# KiCad board panelized.kicad_pcb (continued)
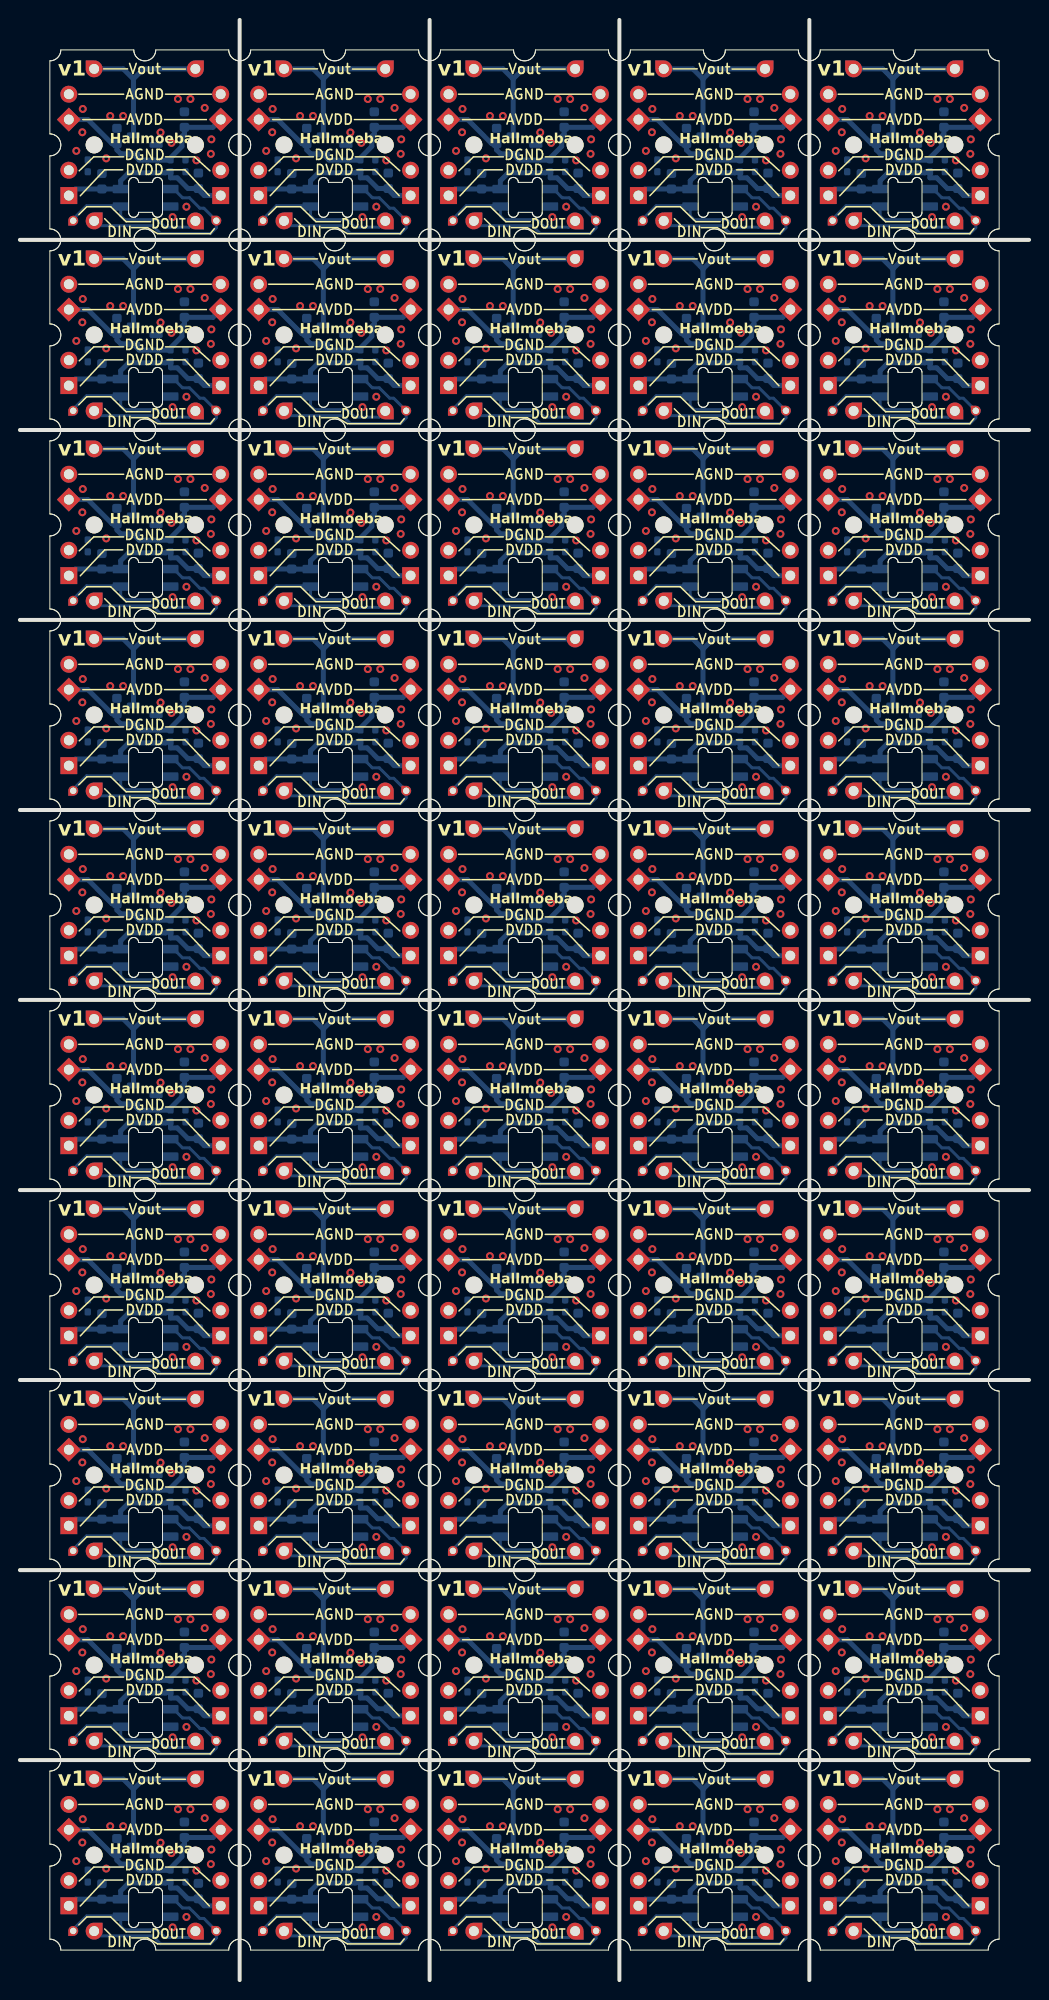
[diagram p0: board, top side]
## Nets (continued)
Board_27-GNDD: C1#30.1 C2#25.1 D1#42.3 J7#29.1 J8#13.1 R1#34.1 R2#49.1
Board_27-LED_IN: D1#42.4 J13#22.1 J14#13.1
Board_27-LED_OUT: D1#42.2 J11#10.1 J12#41.1
Board_27-VDD: C1#30.2 C2#25.2 D1#42.1 J1#9.1 J2#44.1 R3#33.1
Board_27-VDDA: C3#5.2 C4#29.2 J5#3.1 J6.1 R3#33.2 U1#15.1
Board_27-Vout: J9#10.1 J10#7.1 U1#15.2
Board_28-GNDA: C3#22.1 C4#47.1 J3#12.1 J4#5.1 R1#14.2 R2#32.2 U1#6.3
Board_28-GNDD: C1#43.1 C2#47.1 D1#45.3 J7#50.1 J8#44.1 R1#14.1 R2#32.1
Board_28-LED_IN: D1#45.4 J13#50.1 J14#34.1
Board_28-LED_OUT: D1#45.2 J11#44.1 J12#36.1
Board_28-VDD: C1#43.2 C2#47.2 D1#45.1 J1#13.1 J2#36.1 R3#6.1
Board_28-VDDA: C3#22.2 C4#47.2 J5#46.1 J6#13.1 R3#6.2 U1#6.1
Board_28-Vout: J9#40.1 J10#5.1 U1#6.2
Board_29-GNDA: C3#40.1 C4#6.1 J3#35.1 J4#15.1 R1#15.2 R2#6.2 U1#36.3
Board_29-GNDD: C1#10.1 C2#42.1 D1.3 J7#5.1 J8#46.1 R1#15.1 R2#6.1
Board_29-LED_IN: D1.4 J13#32.1 J14#25.1
Board_29-LED_OUT: D1.2 J11#34.1 J12#14.1
Board_29-VDD: C1#10.2 C2#42.2 D1.1 J1#2.1 J2#40.1 R3#2.1
Board_29-VDDA: C3#40.2 C4#6.2 J5#44.1 J6#19.1 R3#2.2 U1#36.1
Board_29-Vout: J9#19.1 J10#10.1 U1#36.2
Board_30-GNDA: C3#44.1 C4#10.1 J3#14.1 J4#20.1 R1#8.2 R2#43.2 U1#33.3
Board_30-GNDD: C1#3.1 C2#15.1 D1#35.3 J7#24.1 J8#20.1 R1#8.1 R2#43.1
Board_30-LED_IN: D1#35.4 J13#18.1 J14#49.1
Board_30-LED_OUT: D1#35.2 J11#3.1 J12#18.1
Board_30-VDD: C1#3.2 C2#15.2 D1#35.1 J1#43.1 J2#49.1 R3#38.1
Board_30-VDDA: C3#44.2 C4#10.2 J5#34.1 J6#7.1 R3#38.2 U1#33.1
Board_30-Vout: J9#39.1 J10#32.1 U1#33.2
Board_31-GNDA: C3#14.1 C4#9.1 J3#42.1 J4#46.1 R1#31.2 R2#2.2 U1#32.3
Board_31-GNDD: C1#27.1 C2#8.1 D1#13.3 J7#39.1 J8#31.1 R1#31.1 R2#2.1
Board_31-LED_IN: D1#13.4 J13#48.1 J14#36.1
Board_31-LED_OUT: D1#13.2 J11#42.1 J12#23.1
Board_31-VDD: C1#27.2 C2#8.2 D1#13.1 J1#4.1 J2#46.1 R3#45.1
Board_31-VDDA: C3#14.2 C4#9.2 J5#19.1 J6#14.1 R3#45.2 U1#32.1
Board_31-Vout: J9#17.1 J10#25.1 U1#32.2
Board_32-GNDA: C3#21.1 C4#32.1 J3#50.1 J4#17.1 R1#26.2 R2#3.2 U1#4.3
Board_32-GNDD: C1#46.1 C2#18.1 D1#6.3 J7#11.1 J8#43.1 R1#26.1 R2#3.1
Board_32-LED_IN: D1#6.4 J13#15.1 J14#23.1
Board_32-LED_OUT: D1#6.2 J11.1 J12#48.1
Board_32-VDD: C1#46.2 C2#18.2 D1#6.1 J1#14.1 J2#37.1 R3#28.1
Board_32-VDDA: C3#21.2 C4#32.2 J5#6.1 J6#23.1 R3#28.2 U1#4.1
Board_32-Vout: J9#36.1 J10#50.1 U1#4.2
Board_33-GNDA: C3#16.1 C4#42.1 J3#30.1 J4#49.1 R1#28.2 R2#17.2 U1#46.3
Board_33-GNDD: C1#37.1 C2#46.1 D1#3.3 J7#47.1 J8#8.1 R1#28.1 R2#17.1
Board_33-LED_IN: D1#3.4 J13#35.1 J14#24.1
Board_33-LED_OUT: D1#3.2 J11#50.1 J12#40.1
Board_33-VDD: C1#37.2 C2#46.2 D1#3.1 J1#28.1 J2#41.1 R3#11.1
Board_33-VDDA: C3#16.2 C4#42.2 J5#10.1 J6#17.1 R3#11.2 U1#46.1
Board_33-Vout: J9#31.1 J10#21.1 U1#46.2
Board_34-GNDA: C3#23.1 C4#15.1 J3#9.1 J4#4.1 R1#12.2 R2#45.2 U1#10.3
Board_34-GNDD: C1#33.1 C2#39.1 D1#20.3 J7#44.1 J8#29.1 R1#12.1 R2#45.1
Board_34-LED_IN: D1#20.4 J13#25.1 J14#32.1
Board_34-LED_OUT: D1#20.2 J11#32.1 J12#33.1
Board_34-VDD: C1#33.2 C2#39.2 D1#20.1 J1#30.1 J2#10.1 R3#12.1
Board_34-VDDA: C3#23.2 C4#15.2 J5#20.1 J6#35.1 R3#12.2 U1#10.1
Board_34-Vout: J9#47.1 J10#24.1 U1#10.2
Board_35-GNDA: C3#50.1 C4#23.1 J3#11.1 J4#31.1 R1#21.2 R2#36.2 U1#26.3
Board_35-GNDD: C1#9.1 C2#36.1 D1#30.3 J7#48.1 J8#14.1 R1#21.1 R2#36.1
Board_35-LED_IN: D1#30.4 J13#3.1 J14#22.1
Board_35-LED_OUT: D1#30.2 J11#31.1 J12#6.1
Board_35-VDD: C1#9.2 C2#36.2 D1#30.1 J1#33.1 J2#22.1 R3#41.1
Board_35-VDDA: C3#50.2 C4#23.2 J5#49.1 J6#11.1 R3#41.2 U1#26.1
Board_35-Vout: J9#20.1 J10#29.1 U1#26.2
Board_36-GNDA: C3#26.1 C4#25.1 J3#46.1 J4#18.1 R1#19.2 R2#13.2 U1#29.3
Board_36-GNDD: C1#5.1 C2#45.1 D1#10.3 J7#45.1 J8#38.1 R1#19.1 R2#13.1
Board_36-LED_IN: D1#10.4 J13#31.1 J14#42.1
Board_36-LED_OUT: D1#10.2 J11#7.1 J12#42.1
Board_36-VDD: C1#5.2 C2#45.2 D1#10.1 J1#42.1 J2#7.1 R3#49.1
Board_36-VDDA: C3#26.2 C4#25.2 J5#9.1 J6#42.1 R3#49.2 U1#29.1
Board_36-Vout: J9#11.1 J10#13.1 U1#29.2
Board_37-GNDA: C3#13.1 C4#36.1 J3#18.1 J4#10.1 R1#25.2 R2#24.2 U1#2.3
Board_37-GNDD: C1#48.1 C2#12.1 D1#27.3 J7#17.1 J8#37.1 R1#25.1 R2#24.1
Board_37-LED_IN: D1#27.4 J13#2.1 J14#9.1
Board_37-LED_OUT: D1#27.2 J11#39.1 J12#15.1
Board_37-VDD: C1#48.2 C2#12.2 D1#27.1 J1#5.1 J2#24.1 R3#39.1
Board_37-VDDA: C3#13.2 C4#36.2 J5#41.1 J6#32.1 R3#39.2 U1#2.1
Board_37-Vout: J9#28.1 J10#34.1 U1#2.2
Board_38-GNDA: C3#17.1 C4#16.1 J3#37.1 J4#32.1 R1#23.2 R2#34.2 U1#8.3
Board_38-GNDD: C1#34.1 C2#10.1 D1#24.3 J7#4.1 J8#16.1 R1#23.1 R2#34.1
Board_38-LED_IN: D1#24.4 J13#45.1 J14#38.1
Board_38-LED_OUT: D1#24.2 J11#4.1 J12#49.1
Board_38-VDD: C1#34.2 C2#10.2 D1#24.1 J1#6.1 J2#50.1 R3#25.1
Board_38-VDDA: C3#17.2 C4#16.2 J5#22.1 J6#30.1 R3#25.2 U1#8.1
Board_38-Vout: J9#6.1 J10#9.1 U1#8.2
Board_39-GNDA: C3#6.1 C4#44.1 J3#31.1 J4#14.1 R1#44.2 R2#37.2 U1#14.3
Board_39-GNDD: C1#36.1 C2#26.1 D1#17.3 J7#30.1 J8#9.1 R1#44.1 R2#37.1
Board_39-LED_IN: D1#17.4 J13#17.1 J14#35.1
Board_39-LED_OUT: D1#17.2 J11#2.1 J12#10.1
Board_39-VDD: C1#36.2 C2#26.2 D1#17.1 J1#45.1 J2#8.1 R3#31.1
Board_39-VDDA: C3#6.2 C4#44.2 J5#32.1 J6#8.1 R3#31.2 U1#14.1
Board_39-Vout: J9#3.1 J10#38.1 U1#14.2
Board_40-GNDA: C3#20.1 C4#38.1 J3#22.1 J4#33.1 R1#43.2 R2#15.2 U1#5.3
Board_40-GNDD: C1#7.1 C2#22.1 D1#28.3 J7#49.1 J8#2.1 R1#43.1 R2#15.1
Board_40-LED_IN: D1#28.4 J13#26.1 J14#10.1
Board_40-LED_OUT: D1#28.2 J11#38.1 J12#44.1
Board_40-VDD: C1#7.2 C2#22.2 D1#28.1 J1#8.1 J2#29.1 R3#19.1
Board_40-VDDA: C3#20.2 C4#38.2 J5#21.1 J6#28.1 R3#19.2 U1#5.1
Board_40-Vout: J9#15.1 J10#43.1 U1#5.2
Board_41-GNDA: C3#2.1 C4#39.1 J3#4.1 J4#7.1 R1#33.2 R2#18.2 U1#9.3
Board_41-GNDD: C1#15.1 C2#29.1 D1#32.3 J7#14.1 J8#10.1 R1#33.1 R2#18.1
Board_41-LED_IN: D1#32.4 J13#8.1 J14#26.1
Board_41-LED_OUT: D1#32.2 J11#26.1 J12#20.1
Board_41-VDD: C1#15.2 C2#29.2 D1#32.1 J1#48.1 J2#15.1 R3#42.1
Board_41-VDDA: C3#2.2 C4#39.2 J5#33.1 J6#10.1 R3#42.2 U1#9.1
Board_41-Vout: J9#4.1 J10#15.1 U1#9.2
Board_42-GNDA: C3#12.1 C4#14.1 J3#28.1 J4#13.1 R1#7.2 R2#10.2 U1#40.3
Board_42-GNDD: C1#6.1 C2#20.1 D1#25.3 J7#20.1 J8#26.1 R1#7.1 R2#10.1
Board_42-LED_IN: D1#25.4 J13#36.1 J14#47.1
Board_42-LED_OUT: D1#25.2 J11#5.1 J12#26.1
Board_42-VDD: C1#6.2 C2#20.2 D1#25.1 J1#15.1 J2#14.1 R3#10.1
Board_42-VDDA: C3#12.2 C4#14.2 J5#7.1 J6#27.1 R3#10.2 U1#40.1
Board_42-Vout: J9#34.1 J10#46.1 U1#40.2
Board_43-GNDA: C3#27.1 C4#2.1 J3#26.1 J4#27.1 R1#6.2 R2#19.2 U1#27.3
Board_43-GNDD: C1#41.1 C2#2.1 D1#39.3 J7#19.1 J8#11.1 R1#6.1 R2#19.1
Board_43-LED_IN: D1#39.4 J13#10.1 J14#11.1
Board_43-LED_OUT: D1#39.2 J11#14.1 J12#4.1
Board_43-VDD: C1#41.2 C2#2.2 D1#39.1 J1#38.1 J2#21.1 R3#8.1
Board_43-VDDA: C3#27.2 C4#2.2 J5#25.1 J6#18.1 R3#8.2 U1#27.1
Board_43-Vout: J9#43.1 J10#16.1 U1#27.2
Board_44-GNDA: C3#46.1 C4#34.1 J3#23.1 J4#47.1 R1#37.2 R2#47.2 U1#19.3
Board_44-GNDD: C1#23.1 C2#19.1 D1#37.3 J7#40.1 J8.1 R1#37.1 R2#47.1
Board_44-LED_IN: D1#37.4 J13#19.1 J14#41.1
Board_44-LED_OUT: D1#37.2 J11#46.1 J12#31.1
Board_44-VDD: C1#23.2 C2#19.2 D1#37.1 J1#34.1 J2#6.1 R3#29.1
Board_44-VDDA: C3#46.2 C4#34.2 J5#13.1 J6#39.1 R3#29.2 U1#19.1
Board_44-Vout: J9#16.1 J10#31.1 U1#19.2
Board_45-GNDA: C3#32.1 C4#46.1 J3.1 J4#39.1 R1#49.2 R2#30.2 U1#17.3
Board_45-GNDD: C1#2.1 C2#9.1 D1#31.3 J7#46.1 J8#5.1 R1#49.1 R2#30.1
Board_45-LED_IN: D1#31.4 J13#43.1 J14#44.1
Board_45-LED_OUT: D1#31.2 J11#22.1 J12#35.1
Board_45-VDD: C1#2.2 C2#9.2 D1#31.1 J1#10.1 J2#27.1 R3#21.1
Board_45-VDDA: C3#32.2 C4#46.2 J5#35.1 J6#21.1 R3#21.2 U1#17.1
Board_45-Vout: J9#21.1 J10#28.1 U1#17.2
Board_46-GNDA: C3#9.1 C4#13.1 J3#40.1 J4#26.1 R1#42.2 R2#48.2 U1#41.3
Board_46-GNDD: C1#17.1 C2#7.1 D1#34.3 J7#33.1 J8#27.1 R1#42.1 R2#48.1
Board_46-LED_IN: D1#34.4 J13#7.1 J14#3.1
Board_46-LED_OUT: D1#34.2 J11#28.1 J12#2.1
Board_46-VDD: C1#17.2 C2#7.2 D1#34.1 J1#29.1 J2#34.1 R3.1
Board_46-VDDA: C3#9.2 C4#13.2 J5#26.1 J6#49.1 R3.2 U1#41.1
Board_46-Vout: J9#14.1 J10#48.1 U1#41.2
Board_47-GNDA: C3#19.1 C4#12.1 J3#6.1 J4#45.1 R1#4.2 R2#38.2 U1#23.3
Board_47-GNDD: C1#45.1 C2#40.1 D1#15.3 J7#2.1 J8#6.1 R1#4.1 R2#38.1
Board_47-LED_IN: D1#15.4 J13#16.1 J14#43.1
Board_47-LED_OUT: D1#15.2 J11#21.1 J12#37.1
Board_47-VDD: C1#45.2 C2#40.2 D1#15.1 J1#44.1 J2#9.1 R3#40.1
Board_47-VDDA: C3#19.2 C4#12.2 J5#40.1 J6#43.1 R3#40.2 U1#23.1
Board_47-Vout: J9#32.1 J10#44.1 U1#23.2
Board_48-GNDA: C3#28.1 C4#40.1 J3#48.1 J4#12.1 R1#20.2 R2#31.2 U1#45.3
Board_48-GNDD: C1#8.1 C2#11.1 D1#50.3 J7#10.1 J8#28.1 R1#20.1 R2#31.1
Board_48-LED_IN: D1#50.4 J13#20.1 J14#5.1
Board_48-LED_OUT: D1#50.2 J11#17.1 J12#38.1
Board_48-VDD: C1#8.2 C2#11.2 D1#50.1 J1#24.1 J2#23.1 R3#37.1
Board_48-VDDA: C3#28.2 C4#40.2 J5.1 J6#2.1 R3#37.2 U1#45.1
Board_48-Vout: J9#50.1 J10#35.1 U1#45.2
Board_49-GNDA: C3#39.1 C4#5.1 J3#41.1 J4#50.1 R1#27.2 R2#35.2 U1#11.3
Board_49-GNDD: C1#42.1 C2#23.1 D1#12.3 J7#31.1 J8#32.1 R1#27.1 R2#35.1
Board_49-LED_IN: D1#12.4 J13#6.1 J14#27.1
Board_49-LED_OUT: D1#12.2 J11#35.1 J12#19.1
Board_49-VDD: C1#42.2 C2#23.2 D1#12.1 J1#39.1 J2#30.1 R3#23.1
Board_49-VDDA: C3#39.2 C4#5.2 J5#37.1 J6#45.1 R3#23.2 U1#11.1
Board_49-Vout: J9#33.1 J10#2.1 U1#11.2

## Via types
v1: diameter 0.8, hole 0.4, Top to Bottom, 800 vias

## Routing (per net, layer and track width the routed paths; a pad name or vN(x,y) marks a point on that pad's centre or on a via; arc(x,y) is an arc through that point)
Board_0-GNDA:
  vias: v1(5.66,183.38) v1(6.26,185.24) v1(6.31,187.57) v1(8.66,182.62) v1(9.06,186.88) v1(10.36,186.88) v1(14.11,185.22) v1(15.2,184.18) v1(15.86,188.57) v1(17.11,188.57) v1(17.7,182.43) v1(18.54,187.68) v1(19.16,183.07) v1(19.21,184.53)
Board_0-GNDD:
  vias: v1(15.32,176.74) v1(16.7,177.78)
Board_0-LED_IN: length 19.7
  Bottom w0.3: J14#17.1 7.92,175.88 13.31,175.88 14.09,175.09 19.13,175.09 19.7,175.66 J13#44.1 18.45,177.62 18.06,177.62 17,178.68 16.31,178.68 15.43,179.55 D1#43.4
Board_0-LED_OUT: length 14.7
  Bottom w0.3: J12#28.1 16.97,175.72 14.56,175.72 13.8,176.48 10.49,176.48 10.11,176.87 D1#43.2 10.03,177.88 6.68,177.88 5.34,176.54 J11#9.1
Board_0-VDD: length 17.9
  Bottom w0.5: C2#34.2 16.86,179.6 15.78,180.68 15.11,180.68 R3#17.1 14.71,181.28 14.61,181.18 10.91,181.18 10.11,180.38 D1#43.1 8.23,179.55 C1#32.2 5.57,179.56 J2#19.1 ; 17.99,179.4 18.49,178.9 J1#31.1
Board_0-VDDA: length 20.1
  Bottom w0.5: J6#9.1 19.37,185.74 C3#18.2 16.5,185.07 16.25,184.82 16.25,183.82 15.11,182.68 R3#17.2 15.08,182.45 11.96,182.45 11.33,183.09 10.11,183.09 9.73,183.47 9.73,184.09 9.24,184.09 6.81,186.51 J5#18.1
Board_0-Vout: length 16.7
  Bottom w0.5: 11.39,190.57 10.37,191.59 J10#3.1 ; 11.39,190.57 U1#30.2 ; 11.39,190.57 11.39,190.58 12.4,191.59 J9#46.1
Board_1-GNDA:
  vias: v1(24.7,183.38) v1(25.36,187.57) v1(25.31,185.24) v1(27.7,182.62) v1(28.11,186.88) v1(29.41,186.88) v1(33.16,185.22) v1(34.25,184.18) v1(34.91,188.57) v1(36.16,188.57) v1(36.75,182.43) v1(37.59,187.68) v1(38.26,184.53) v1(38.21,183.07)
Board_1-GNDD:
  vias: v1(34.37,176.74) v1(35.75,177.78)
Board_1-LED_IN: length 19.7
  Bottom w0.3: D1#44.4 34.48,179.55 35.35,178.68 36.06,178.68 37.1,177.62 37.5,177.62 J13#27.1 38.75,175.66 38.18,175.09 33.15,175.09 32.35,175.88 26.97,175.88 J14#39.1
Board_1-LED_OUT: length 14.7
  Bottom w0.3: J11#30.1 24.39,176.54 25.73,177.88 29.08,177.88 D1#44.2 29.16,176.87 29.54,176.48 32.84,176.48 33.61,175.72 36.02,175.72 J12#9.1
Board_1-VDD: length 17.9
  Bottom w0.5: J2#11.1 24.62,179.56 C1#44.2 27.28,179.55 D1#44.1 29.16,180.38 29.95,181.18 33.66,181.18 33.76,181.28 R3#14.1 34.16,180.68 34.83,180.68 35.91,179.6 C2#24.2 ; J1#3.1 37.54,178.9 37.04,179.4
Board_1-VDDA: length 20.1
  Bottom w0.5: J5#27.1 25.86,186.51 28.29,184.09 28.78,184.09 28.78,183.47 29.16,183.09 30.38,183.09 31.01,182.45 34.13,182.45 R3#14.2 34.16,182.68 35.31,183.82 35.31,184.82 35.56,185.07 C3#3.2 38.42,185.74 J6#26.1
Board_1-Vout: length 16.7
  Bottom w0.5: 30.44,190.57 29.42,191.59 J10#23.1 ; 30.44,190.57 U1#28.2 ; 30.44,190.57 30.44,190.58 31.45,191.59 J9#2.1
Board_2-GNDA:
  vias: v1(43.75,183.38) v1(44.36,185.24) v1(44.41,187.57) v1(46.75,182.62) v1(47.16,186.88) v1(48.46,186.88) v1(52.21,185.22) v1(53.31,184.18) v1(53.96,188.57) v1(55.21,188.57) v1(55.81,182.43) v1(56.64,187.68) v1(57.25,183.07) v1(57.31,184.53)
Board_2-GNDD:
  vias: v1(53.42,176.74) v1(54.81,177.78)
Board_2-LED_IN: length 19.7
  Bottom w0.3: D1#21.4 53.53,179.55 54.41,178.68 55.1,178.68 56.16,177.62 56.56,177.62 J13#33.1 57.81,175.66 57.23,175.09 52.19,175.09 51.41,175.88 46.03,175.88 J14#19.1
Board_2-LED_OUT: length 14.7
  Bottom w0.3: J11#47.1 43.44,176.54 44.78,177.88 48.13,177.88 D1#21.2 48.21,176.87 48.59,176.48 51.9,176.48 52.66,175.72 55.07,175.72 J12#22.1
Board_2-VDD: length 17.9
  Bottom w0.5: J1#36.1 56.59,178.9 56.09,179.4 ; J2.1 43.67,179.56 C1#39.2 46.33,179.55 D1#21.1 48.21,180.38 49,181.18 52.71,181.18 52.81,181.28 R3#3.1 53.21,180.68 53.88,180.68 54.96,179.6 C2#41.2
Board_2-VDDA: length 20.1
  Bottom w0.5: J5#39.1 44.91,186.51 47.34,184.09 47.83,184.09 47.83,183.47 48.21,183.09 49.43,183.09 50.06,182.45 53.18,182.45 R3#3.2 53.21,182.68 54.35,183.82 54.35,184.82 54.6,185.07 C3#34.2 57.47,185.74 J6#15.1
Board_2-Vout: length 16.7
  Bottom w0.5: J9#5.1 50.5,191.59 49.49,190.58 49.49,190.57 ; J10#26.1 48.47,191.59 49.49,190.57 ; U1#21.2 49.49,190.57
Board_3-GNDA:
  vias: v1(62.81,183.38) v1(63.46,187.57) v1(63.41,185.24) v1(65.81,182.62) v1(66.21,186.88) v1(67.5,186.88) v1(71.25,185.22) v1(72.35,184.18) v1(73,188.57) v1(74.25,188.57) v1(74.85,182.43) v1(75.69,187.68) v1(76.36,184.53) v1(76.31,183.07)
Board_3-GNDD:
  vias: v1(72.47,176.74) v1(73.85,177.78)
Board_3-LED_IN: length 19.7
  Bottom w0.3: D1#38.4 72.58,179.55 73.46,178.68 74.16,178.68 75.21,177.62 75.6,177.62 J13#23.1 76.85,175.66 76.28,175.09 71.25,175.09 70.46,175.88 65.07,175.88 J14#20.1
Board_3-LED_OUT: length 14.7
  Bottom w0.3: J11#37.1 62.5,176.54 63.83,177.88 67.18,177.88 D1#38.2 67.25,176.87 67.64,176.48 70.94,176.48 71.71,175.72 74.12,175.72 J12#43.1
Board_3-VDD: length 17.9
  Bottom w0.5: C2#3.2 74.01,179.6 72.93,180.68 72.25,180.68 R3#30.1 71.86,181.28 71.75,181.18 68.06,181.18 67.25,180.38 D1#38.1 65.38,179.55 C1#35.2 62.72,179.56 J2#47.1 ; J1#11.1 75.64,178.9 75.14,179.4
Board_3-VDDA: length 20.1
  Bottom w0.5: J5#12.1 63.96,186.51 66.39,184.09 66.88,184.09 66.88,183.47 67.26,183.09 68.48,183.09 69.11,182.45 72.23,182.45 R3#30.2 72.25,182.68 73.41,183.82 73.41,184.82 73.66,185.07 C3#45.2 76.52,185.74 J6#4.1
Board_3-Vout: length 16.7
  Bottom w0.5: U1#22.2 68.54,190.57 ; 68.54,190.57 67.52,191.59 J10#41.1 ; 68.54,190.57 68.54,190.58 69.55,191.59 J9#9.1
Board_4-GNDA:
  vias: v1(81.85,183.38) v1(82.46,185.24) v1(82.5,187.57) v1(84.85,182.62) v1(85.25,186.88) v1(86.56,186.88) v1(90.31,185.22) v1(91.41,184.18) v1(92.06,188.57) v1(93.31,188.57) v1(93.91,182.43) v1(94.74,187.68) v1(95.35,183.07) v1(95.41,184.53)
Board_4-GNDD:
  vias: v1(91.52,176.74) v1(92.91,177.78)
Board_4-LED_IN: length 19.7
  Bottom w0.3: D1#2.4 91.63,179.55 92.5,178.68 93.21,178.68 94.25,177.62 94.66,177.62 J13#37.1 95.91,175.66 95.33,175.09 90.29,175.09 89.5,175.88 84.12,175.88 J14#31.1
Board_4-LED_OUT: length 14.7
  Bottom w0.3: J11#27.1 81.54,176.54 82.88,177.88 86.23,177.88 D1#2.2 86.31,176.87 86.69,176.48 90,176.48 90.76,175.72 93.17,175.72 J12#8.1
Board_4-VDD: length 17.9
  Bottom w0.5: C2#16.2 93.06,179.6 91.98,180.68 91.31,180.68 R3#18.1 90.91,181.28 90.81,181.18 87.1,181.18 86.31,180.38 D1#2.1 84.43,179.55 C1#18.2 81.77,179.56 J2#5.1 ; 94.19,179.4 94.69,178.9 J1#25.1
Board_4-VDDA: length 20.1
  Bottom w0.5: J6#16.1 95.57,185.74 C3#10.2 92.71,185.07 92.46,184.82 92.46,183.82 91.31,182.68 R3#18.2 91.28,182.45 88.16,182.45 87.53,183.09 86.31,183.09 85.93,183.47 85.93,184.09 85.44,184.09 83.01,186.51 J5#11.1
Board_4-Vout: length 16.7
  Bottom w0.5: 87.59,190.57 86.57,191.59 J10#40.1 ; 87.59,190.57 87.59,190.58 88.6,191.59 J9#25.1 ; 87.59,190.57 U1#20.2
Board_5-GNDA:
  vias: v1(5.66,164.32) v1(6.26,166.19) v1(6.31,168.53) v1(8.66,163.57) v1(9.06,167.82) v1(10.36,167.82) v1(14.11,166.18) v1(15.2,165.12) v1(15.86,169.53) v1(17.11,169.53) v1(17.7,163.38) v1(18.54,168.63) v1(19.16,164.03) v1(19.21,165.48)
Board_5-GNDD:
  vias: v1(15.32,157.69) v1(16.7,158.72)
Board_5-LED_IN: length 19.7
  Bottom w0.3: J14#8.1 7.92,156.82 13.31,156.82 14.09,156.03 19.13,156.03 19.7,156.61 J13#40.1 18.45,158.57 18.06,158.57 17,159.62 16.31,159.62 15.43,160.5 D1#18.4
Board_5-LED_OUT: length 14.7
  Bottom w0.3: J12#11.1 16.97,156.67 14.56,156.67 13.8,157.43 10.49,157.43 10.11,157.82 D1#18.2 10.03,158.83 6.68,158.83 5.34,157.49 J11#40.1
Board_5-VDD: length 17.9
  Bottom w0.5: 17.99,160.35 18.49,159.84 J1#23.1 ; J2#43.1 5.57,160.51 C1#29.2 8.23,160.5 D1#18.1 10.11,161.32 10.91,162.12 14.61,162.12 14.71,162.23 R3#16.1 15.11,161.62 15.78,161.62 16.86,160.55 C2.2
Board_5-VDDA: length 20.1
  Bottom w0.5: J6#5.1 19.37,166.69 C3#24.2 16.5,166.03 16.25,165.78 16.25,164.78 15.11,163.62 R3#16.2 15.08,163.4 11.96,163.4 11.33,164.04 10.11,164.04 9.73,164.42 C4#18.2 9.24,165.04 6.81,167.47 J5#47.1
Board_5-Vout: length 16.7
  Bottom w0.5: U1#18.2 11.39,171.52 ; 11.39,171.52 11.39,171.53 12.4,172.55 J9#27.1 ; 11.39,171.52 10.37,172.55 J10#42.1
Board_6-GNDA:
  vias: v1(24.7,164.32) v1(25.36,168.53) v1(25.31,166.19) v1(27.7,163.57) v1(28.11,167.82) v1(29.41,167.82) v1(33.16,166.18) v1(34.25,165.12) v1(34.91,169.53) v1(36.16,169.53) v1(36.75,163.38) v1(37.59,168.63) v1(38.26,165.48) v1(38.21,164.03)
Board_6-GNDD:
  vias: v1(34.37,157.69) v1(35.75,158.72)
Board_6-LED_IN: length 19.7
  Bottom w0.3: D1#49.4 34.48,160.5 35.35,159.62 36.06,159.62 37.1,158.57 37.5,158.57 J13#38.1 38.75,156.61 38.18,156.03 33.15,156.03 32.35,156.82 26.97,156.82 J14#15.1
Board_6-LED_OUT: length 14.7
  Bottom w0.3: J11#49.1 24.39,157.49 25.73,158.83 29.08,158.83 D1#49.2 29.16,157.82 29.54,157.43 32.84,157.43 33.61,156.67 36.02,156.67 J12#32.1
Board_6-VDD: length 17.9
  Bottom w0.5: C2#50.2 35.91,160.55 34.83,161.62 34.16,161.62 R3#13.1 33.76,162.23 33.66,162.12 29.95,162.12 29.16,161.32 D1#49.1 27.28,160.5 C1#28.2 24.62,160.51 J2#48.1 ; 37.04,160.35 37.54,159.84 J1#27.1
Board_6-VDDA: length 20.1
  Bottom w0.5: J5#48.1 25.86,167.47 28.29,165.04 C4#35.2 28.78,164.42 29.16,164.04 30.38,164.04 31.01,163.4 34.13,163.4 R3#13.2 34.16,163.62 35.31,164.78 35.31,165.78 35.56,166.03 C3#42.2 38.42,166.69 J6#47.1
Board_6-Vout: length 16.7
  Bottom w0.5: 30.44,171.52 30.44,171.53 31.45,172.55 J9#26.1 ; 30.44,171.52 29.42,172.55 J10#12.1 ; 30.44,171.52 U1#35.2
Board_7-GNDA:
  vias: v1(43.75,164.32) v1(44.36,166.19) v1(44.41,168.53) v1(46.75,163.57) v1(47.16,167.82) v1(48.46,167.82) v1(52.21,166.18) v1(53.31,165.12) v1(53.96,169.53) v1(55.21,169.53) v1(55.81,163.38) v1(56.64,168.63) v1(57.25,164.03) v1(57.31,165.48)
Board_7-GNDD:
  vias: v1(53.42,157.69) v1(54.81,158.72)
Board_7-LED_IN: length 19.7
  Bottom w0.3: J14#48.1 46.03,156.82 51.41,156.82 52.19,156.03 57.23,156.03 57.81,156.61 J13.1 56.56,158.57 56.16,158.57 55.1,159.62 54.41,159.62 53.53,160.5 D1#22.4
Board_7-LED_OUT: length 14.7
  Bottom w0.3: J12#45.1 55.07,156.67 52.66,156.67 51.9,157.43 48.59,157.43 48.21,157.82 D1#22.2 48.13,158.83 44.78,158.83 43.44,157.49 J11#23.1
Board_7-VDD: length 17.9
  Bottom w0.5: 56.09,160.35 56.59,159.84 J1#41.1 ; J2#13.1 43.67,160.51 C1#38.2 46.33,160.5 D1#22.1 48.21,161.32 49,162.12 52.71,162.12 52.81,162.23 R3#36.1 53.21,161.62 53.88,161.62 54.96,160.55 C2#33.2
Board_7-VDDA: length 20.1
  Bottom w0.5: J5#31.1 44.91,167.47 47.34,165.04 C4#19.2 47.83,164.42 48.21,164.04 49.43,164.04 50.06,163.4 53.18,163.4 R3#36.2 53.21,163.62 54.35,164.78 54.35,165.78 54.6,166.03 C3#48.2 57.47,166.69 J6#48.1
Board_7-Vout: length 16.7
  Bottom w0.5: J9#8.1 50.5,172.55 49.49,171.53 49.49,171.52 ; J10#6.1 48.47,172.55 49.49,171.52 ; U1#7.2 49.49,171.52
Board_8-GNDA:
  vias: v1(62.81,164.32) v1(63.46,168.53) v1(63.41,166.19) v1(65.81,163.57) v1(66.21,167.82) v1(67.5,167.82) v1(71.25,166.18) v1(72.35,165.12) v1(73,169.53) v1(74.25,169.53) v1(74.85,163.38) v1(75.69,168.63) v1(76.36,165.48) v1(76.31,164.03)
Board_8-GNDD:
  vias: v1(72.47,157.69) v1(73.85,158.72)
Board_8-LED_IN: length 19.7
  Bottom w0.3: J14#18.1 65.07,156.82 70.46,156.82 71.25,156.03 76.28,156.03 76.85,156.61 J13#24.1 75.6,158.57 75.21,158.57 74.16,159.62 73.46,159.62 72.58,160.5 D1#7.4
Board_8-LED_OUT: length 14.7
  Bottom w0.3: J12#25.1 74.12,156.67 71.71,156.67 70.94,157.43 67.64,157.43 67.25,157.82 D1#7.2 67.18,158.83 63.83,158.83 62.5,157.49 J11#15.1
Board_8-VDD: length 17.9
  Bottom w0.5: C2#38.2 74.01,160.55 72.93,161.62 72.25,161.62 R3#7.1 71.86,162.23 71.75,162.12 68.06,162.12 67.25,161.32 D1#7.1 65.38,160.5 C1.2 62.72,160.51 J2#38.1 ; J1#18.1 75.64,159.84 75.14,160.35
Board_8-VDDA: length 20.1
  Bottom w0.5: J5#28.1 63.96,167.47 66.39,165.04 C4#11.2 66.88,164.42 67.26,164.04 68.48,164.04 69.11,163.4 72.23,163.4 R3#7.2 72.25,163.62 73.41,164.78 73.41,165.78 73.66,166.03 C3#7.2 76.52,166.69 J6#37.1
Board_8-Vout: length 16.7
  Bottom w0.5: U1#48.2 68.54,171.52 ; 68.54,171.52 68.54,171.53 69.55,172.55 J9#24.1 ; 68.54,171.52 67.52,172.55 J10#33.1
Board_9-GNDA:
  vias: v1(81.85,164.32) v1(82.46,166.19) v1(82.5,168.53) v1(84.85,163.57) v1(85.25,167.82) v1(86.56,167.82) v1(90.31,166.18) v1(91.41,165.12) v1(92.06,169.53) v1(93.31,169.53) v1(93.91,163.38) v1(94.74,168.63) v1(95.35,164.03) v1(95.41,165.48)
Board_9-GNDD:
  vias: v1(91.52,157.69) v1(92.91,158.72)
Board_9-LED_IN: length 19.7
  Bottom w0.3: D1#5.4 91.63,160.5 92.5,159.62 93.21,159.62 94.25,158.57 94.66,158.57 J13#34.1 95.91,156.61 95.33,156.03 90.29,156.03 89.5,156.82 84.12,156.82 J14#45.1
Board_9-LED_OUT: length 14.7
  Bottom w0.3: J12#50.1 93.17,156.67 90.76,156.67 90,157.43 86.69,157.43 86.31,157.82 D1#5.2 86.23,158.83 82.88,158.83 81.54,157.49 J11#33.1
Board_9-VDD: length 17.9
  Bottom w0.5: J1#26.1 94.69,159.84 94.19,160.35 ; C2#21.2 93.06,160.55 91.98,161.62 91.31,161.62 R3#9.1 90.91,162.23 90.81,162.12 87.1,162.12 86.31,161.32 D1#5.1 84.43,160.5 C1#11.2 81.77,160.51 J2#33.1
Board_9-VDDA: length 20.1
  Bottom w0.5: J5#36.1 83.01,167.47 85.44,165.04 C4#26.2 85.93,164.42 86.31,164.04 87.53,164.04 88.16,163.4 91.28,163.4 R3#9.2 91.31,163.62 92.46,164.78 92.46,165.78 92.71,166.03 C3#25.2 95.57,166.69 J6#29.1
Board_9-Vout: length 16.7
  Bottom w0.5: 87.59,171.52 87.59,171.53 88.6,172.55 J9#18.1 ; 87.59,171.52 86.57,172.55 J10#11.1 ; 87.59,171.52 U1#47.2
Board_10-GNDA:
  vias: v1(5.66,145.28) v1(6.26,147.14) v1(6.31,149.47) v1(8.66,144.53) v1(9.06,148.78) v1(10.36,148.78) v1(14.11,147.12) v1(15.2,146.07) v1(15.86,150.47) v1(17.11,150.47) v1(17.7,144.32) v1(18.54,149.58) v1(19.16,144.97) v1(19.21,146.43)
Board_10-GNDD:
  vias: v1(15.32,138.64) v1(16.7,139.68)
Board_10-LED_IN: length 19.7
  Bottom w0.3: D1#33.4 15.43,141.45 16.31,140.57 17,140.57 18.06,139.53 18.45,139.53 J13#5.1 19.7,137.56 19.13,136.99 14.09,136.99 13.31,137.78 7.92,137.78 J14#40.1
Board_10-LED_OUT: length 14.7
  Bottom w0.3: J11#8.1 5.34,138.44 6.68,139.78 10.03,139.78 D1#33.2 10.11,138.77 10.49,138.38 13.8,138.38 14.56,137.62 16.97,137.62 J12#3.1
Board_10-VDD: length 17.9
  Bottom w0.5: J1#35.1 18.49,140.8 17.99,141.3 ; J2#3.1 5.57,141.46 C1#19.2 8.23,141.45 D1#33.1 10.11,142.28 10.91,143.07 14.61,143.07 14.71,143.18 R3#48.1 15.11,142.57 15.78,142.57 16.86,141.5 C2#30.2
Board_10-VDDA: length 20.1
  Bottom w0.5: J5#16.1 6.81,148.42 9.24,145.99 C4.2 9.73,145.37 10.11,144.99 11.33,144.99 U1#13.1 11.96,144.35 15.08,144.35 R3#48.2 15.11,144.57 16.25,145.72 16.25,146.72 16.5,146.97 C3#47.2 19.37,147.64 J6#33.1
Board_10-Vout: length 16.7
  Bottom w0.5: J10#37.1 10.37,153.5 11.39,152.47 ; 11.39,152.47 U1#13.2 ; 11.39,152.47 11.39,152.48 12.4,153.5 J9#29.1
Board_11-GNDA:
  vias: v1(24.7,145.28) v1(25.36,149.47) v1(25.31,147.14) v1(27.7,144.53) v1(28.11,148.78) v1(29.41,148.78) v1(33.16,147.12) v1(34.25,146.07) v1(34.91,150.47) v1(36.16,150.47) v1(36.75,144.32) v1(37.59,149.58) v1(38.26,146.43) v1(38.21,144.97)
Board_11-GNDD:
  vias: v1(34.37,138.64) v1(35.75,139.68)
Board_11-LED_IN: length 19.7
  Bottom w0.3: D1#23.4 34.48,141.45 35.35,140.57 36.06,140.57 37.1,139.53 37.5,139.53 J13#28.1 38.75,137.56 38.18,136.99 33.15,136.99 32.35,137.78 26.97,137.78 J14#6.1
Board_11-LED_OUT: length 14.7
  Bottom w0.3: J12.1 36.02,137.62 33.61,137.62 32.84,138.38 29.54,138.38 29.16,138.77 D1#23.2 29.08,139.78 25.73,139.78 24.39,138.44 J11#48.1
Board_11-VDD: length 17.9
  Bottom w0.5: 37.04,141.3 37.54,140.8 J1#20.1 ; C2#44.2 35.91,141.5 34.83,142.57 34.16,142.57 R3#35.1 33.76,143.18 33.66,143.07 29.95,143.07 29.16,142.28 D1#23.1 27.28,141.45 C1#25.2 24.62,141.46 J2#45.1
Board_11-VDDA: length 20.1
  Bottom w0.5: J6#46.1 38.42,147.64 C3#31.2 35.56,146.97 35.31,146.72 35.31,145.72 34.16,144.57 R3#35.2 34.13,144.35 31.01,144.35 U1#12.1 30.38,144.99 29.16,144.99 28.78,145.37 C4#4.2 28.29,145.99 25.86,148.42 J5#50.1
Board_11-Vout: length 16.7
  Bottom w0.5: J9#41.1 31.45,153.5 30.44,152.48 30.44,152.47 ; 30.44,152.47 29.42,153.5 J10#20.1 ; 30.44,152.47 U1#12.2
Board_12-GNDA:
  vias: v1(43.75,145.28) v1(44.36,147.14) v1(44.41,149.47) v1(46.75,144.53) v1(47.16,148.78) v1(48.46,148.78) v1(52.21,147.12) v1(53.31,146.07) v1(53.96,150.47) v1(55.21,150.47) v1(55.81,144.32) v1(56.64,149.58) v1(57.25,144.97) v1(57.31,146.43)
Board_12-GNDD:
  vias: v1(53.42,138.64) v1(54.81,139.68)
Board_12-LED_IN: length 19.7
  Bottom w0.3: J14#14.1 46.03,137.78 51.41,137.78 52.19,136.99 57.23,136.99 57.81,137.56 J13#12.1 56.56,139.53 56.16,139.53 55.1,140.57 54.41,140.57 53.53,141.45 D1#41.4